# Altium PCB CL-HC-M-V2.1.PcbDoc (part 6 of 19)
Units mil, origin at the board's own origin, x right, y up, seen from the top; angles counter-clockwise.
Board outline 27559.06 x 27559.06 mil, 2 copper layers (TopLayer, BottomLayer); 704 components, 528 nets, 2453 pads, 1851 vias.
Unrouted connection lines stored in the file: 126.
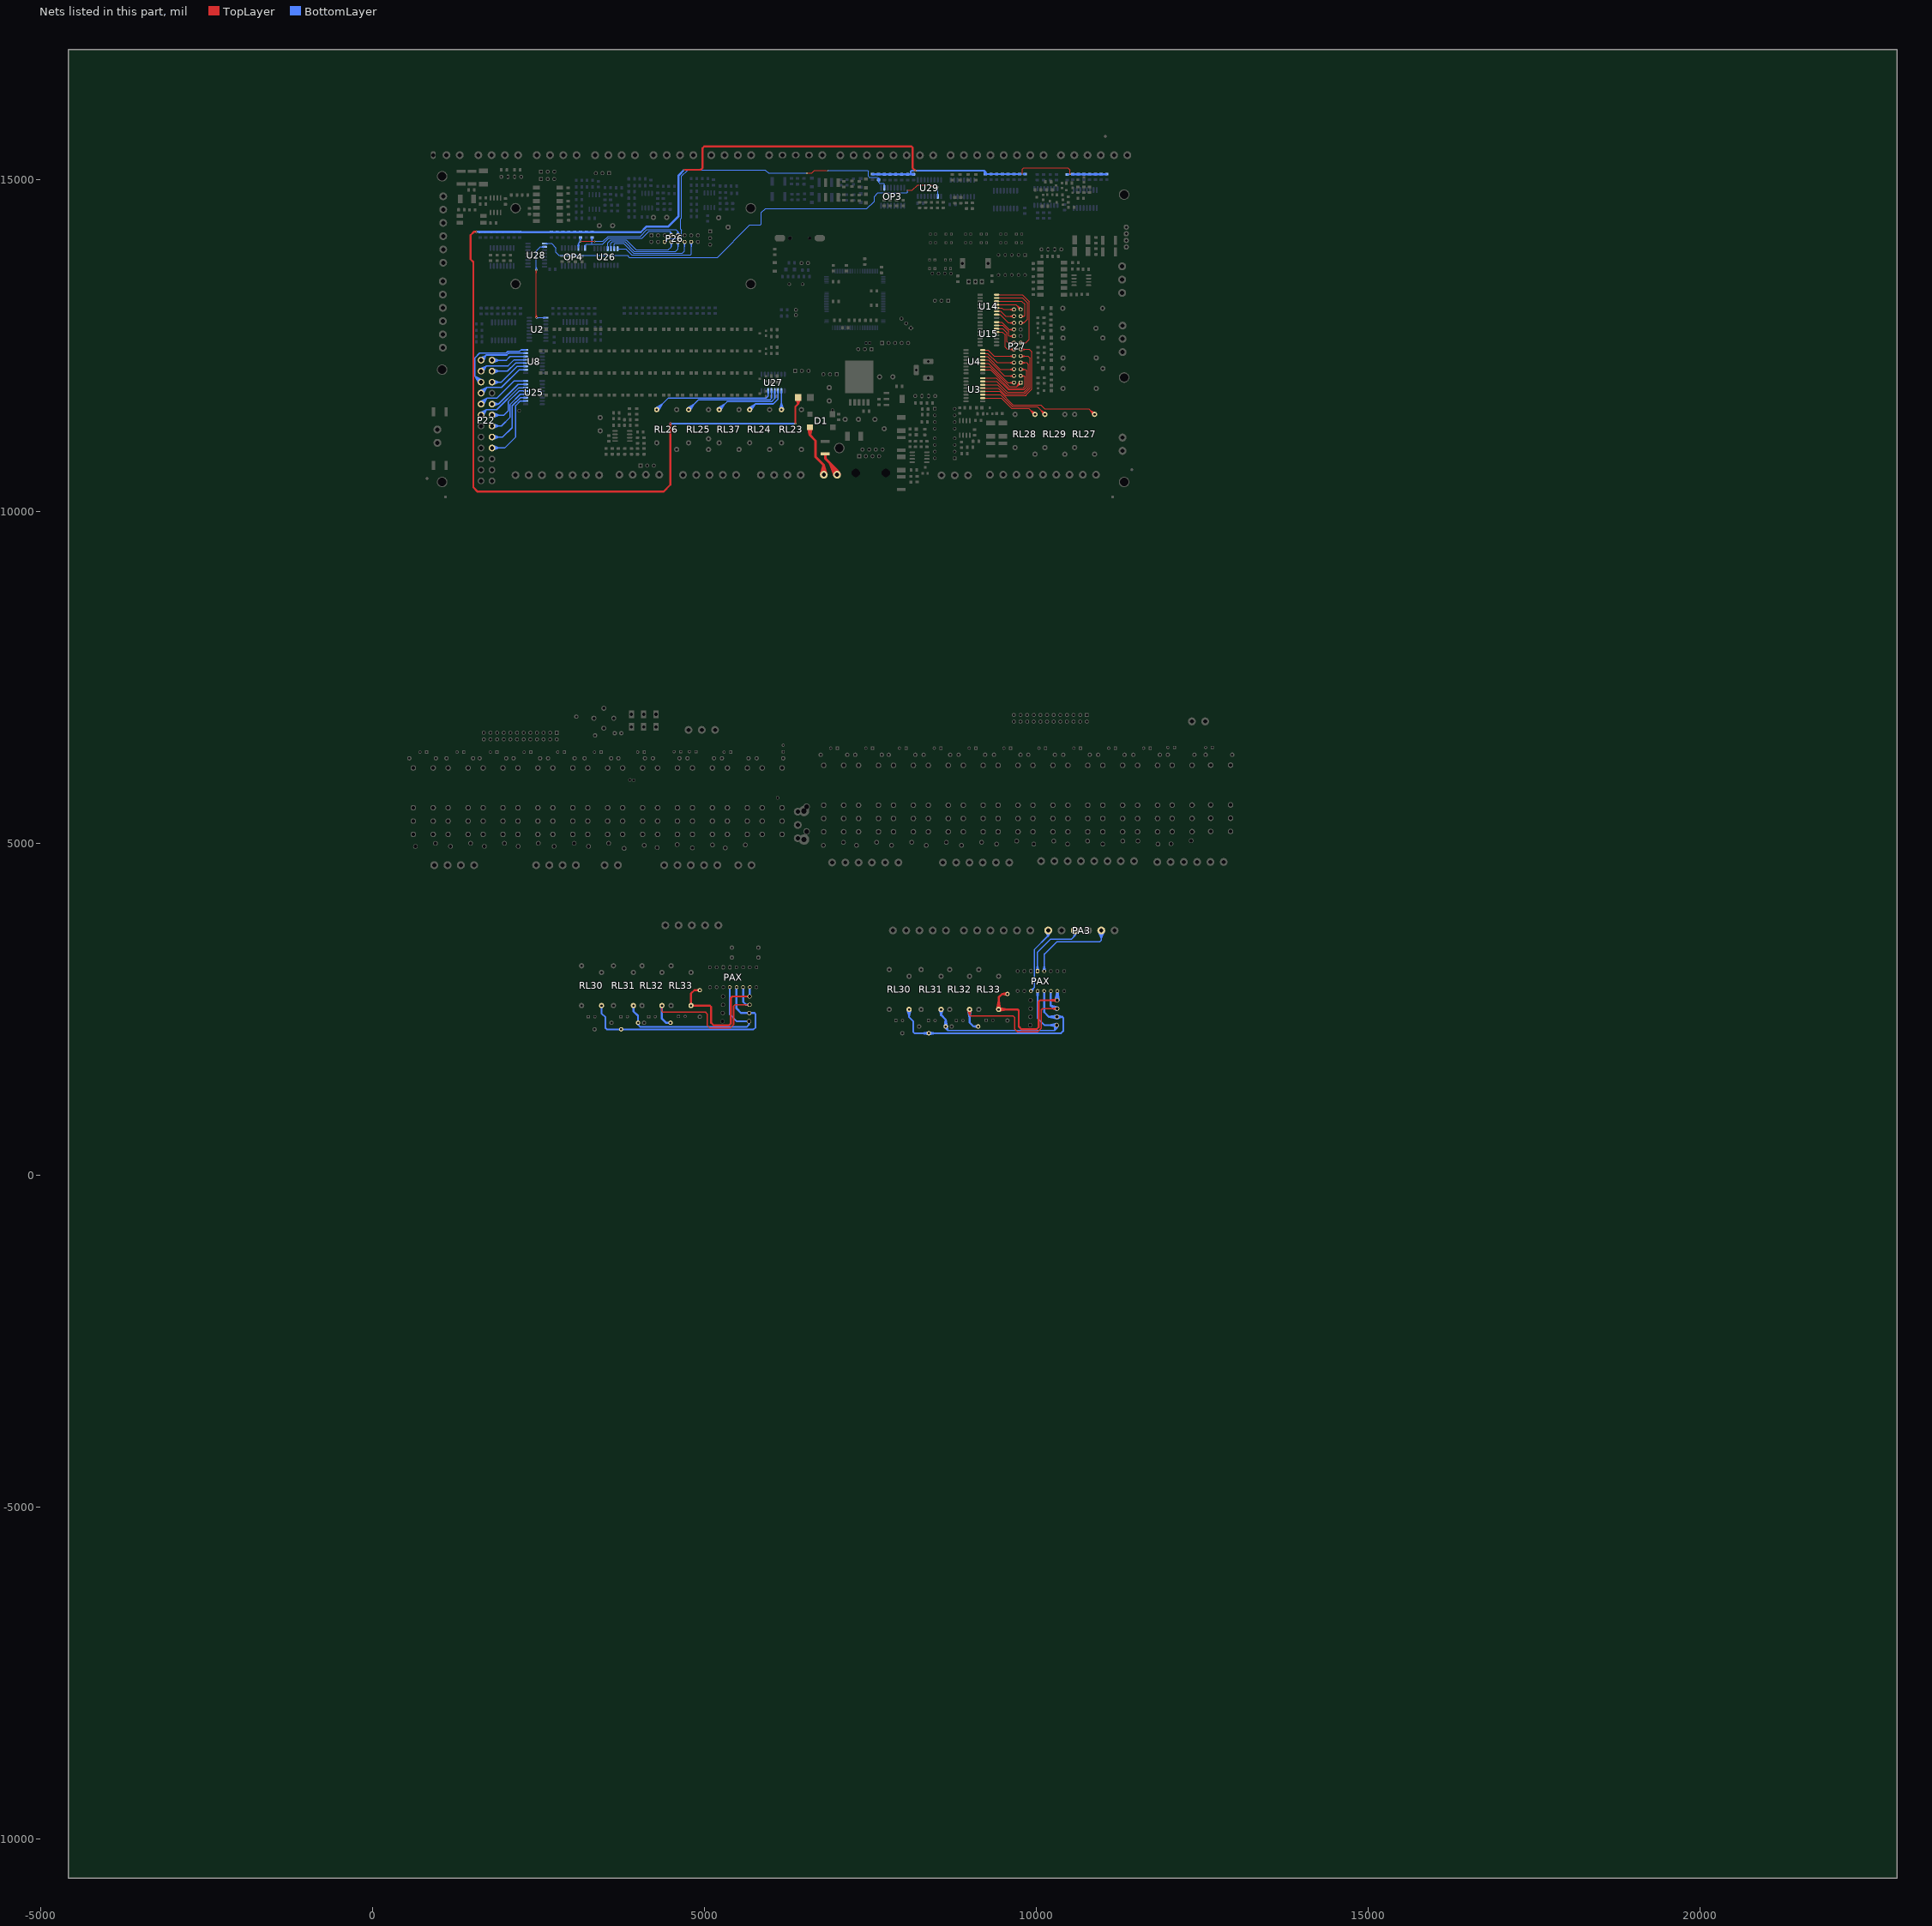
[diagram p6: the nets of this part, all layers, seen from the top]

## Via types
v1: diameter 25, hole 15, TopLayer to BottomLayer, tented both sides, 1813 vias
v2: diameter 20, hole 12, TopLayer to BottomLayer, tented both sides, 24 vias
v3: diameter 25, hole 15, TopLayer to BottomLayer, 13 vias
v4: diameter 40, hole 24, TopLayer to BottomLayer, tented both sides, 1 vias

## Nets (pads, with @x,y where several pads share a name; then routed paths per layer and width w, separated by ;. In a path a pad name is that pad's centre, name@x,y a point inside that pad or via, vN(x,y) a via of type N, cw(c..) or ccw(c..) an arc to the next point about the centre after c; other vN are vias at no path point) (continued)
24V-DI: D14.K R10.1 R14.1 R15.1 R16.1 R17.1 R18.1 R19.1 R20.1 R21.1 R22.1 R23.1 R24.1 R25.1 R26.1 R27.1 R28.1 R29.1 R30.1 R31.1 R32.1 R33.1 R34.1 R35.1 R37.1 R38.1 R53.1 R54.1 R55.1 R56.1 R57.1 R64.1 R65.1 R72.1 R73.1 R74.1 R79.1 R80.1 R249.1 R250.1 R251.1 | length 52852.3
  TopLayer w15: v1(9792.04,15083.71) 9792.04,15158.71 9809.31,15175.98 10478.86,15175.98 10511.13,15143.71 v1(10511.13,15083.5)
  TopLayer w30: 4487.86,11224.73 v1(4487.86,11327.23) 4487.86,10403.03 4383.54,10298.71 1585.68,10298.71 1520.21,10364.17 1520.21,13760.54 1478.41,13802.34 1478.41,14165.07 1527.5,14214.16 ; v1(4694.98,15148.71) 4944.57,15148.71 4971.62,15175.76 4971.62,15473.93 4998.72,15501.03 8120.73,15501.03 8138.93,15482.83 8138.93,15176.44 v1(8178.82,15136.55) ; v1(6370.29,11325.43) 6370.29,11579.11 6413.18,11622 ; D14.K@6378.74,11713.9 6413.18,11622 ; D14.K@6447.62,11713.9 6413.18,11622 ; 1527.5,14214.16 v1(1565.68,14214.16) 1527.5,14214.16 ; 6413.18,11622 D14.K@6413.18,11720.15 6413.18,11622
  BottomLayer w15: R57.1@1622.38,14213.36 R64.1@1707.38,14213.36 R73.1@1962.38,14213.36 R74.1@2047.38,14213.36 R79.1@2132.38,14213.36 R80.1@2217.38,14213.36 R53.1@2697.38,14213.36 R54.1@2782.38,14213.36 R55.1@2867.38,14213.36 R56.1@2957.38,14213.36 R17.1@3047.38,14213.36 R251.1@3132.38,14213.36 R16.1@3222.38,14213.36 R250.1@3307.38,14213.36 ; R57.1@1626.53,14200.89 R64.1@1692.1,14202.69 ; R57.1@1626.53,14225.83 R64.1@1692.1,14224.03 ; R57.1@1630.57,14201.27 R64.1@1692.1,14224.03 ; R57.1@1630.57,14225.44 R64.1@1692.1,14202.69 ; R64.1@1701.17,14200.92 R57.1@1637.38,14213.36 ; R64.1@1701.17,14225.8 R57.1@1637.38,14213.36 ; R64.1@1702.38,14213.36 R57.1@1637.38,14213.36 ; R64.1@1711.33,14225.81 R65.1@1777.03,14225.07 ; R64.1@1711.73,14200.87 R65.1@1777.15,14203.73 ; R64.1@1713.38,14225.82 R65.1@1777.37,14214.38 ; R64.1@1713.58,14200.92 R65.1@1777.38,14213.36 ; R64.1@1713.58,14225.8 R65.1@1777.38,14213.36 ; R64.1@1713.77,14200.94 R65.1@1777.37,14214.38 ; R64.1@1715.38,14225.49 R65.1@1777.15,14203.73 ; R64.1@1715.76,14201.33 R65.1@1777.03,14225.07 ; R65.1@1785.94,14226.98 R64.1@1722.36,14213.36 ; R65.1@1786.4,14202.1 R64.1@1722.36,14213.36 ; R65.1@1787.38,14214.57 R64.1@1722.36,14213.36 ; R65.1@1797.38,14214.57 R72.1@1862.4,14213.36 ; R65.1@1798.35,14202.1 R72.1@1862.4,14213.36 ; R65.1@1798.81,14226.98 R72.1@1862.4,14213.36 ; R72.1@1869.14,14226.64 R65.1@1807.84,14203.77 ; R72.1@1869.2,14202.47 R65.1@1807.37,14225.15 ; R72.1@1870.94,14226.98 R65.1@1807.35,14213.36 ; R72.1@1871.14,14227 R65.1@1807.31,14214.38 ; R72.1@1871.21,14202.12 R65.1@1807.31,14214.38 ; R72.1@1871.41,14202.1 R65.1@1807.35,14213.36 ; R72.1@1873.2,14227.04 R65.1@1807.37,14225.15 ; R72.1@1873.25,14202.1 R65.1@1807.84,14203.77 ; R72.1@1881.3,14202.11 R73.1@1946.83,14202.74 ; R72.1@1881.75,14227.05 R73.1@1947.42,14224.09 ; R72.1@1885.35,14202.43 R73.1@1947.42,14224.09 ; R72.1@1885.79,14226.59 R73.1@1946.83,14202.74 ; R73.1@1956.17,14200.92 R72.1@1892.38,14213.36 ; R73.1@1956.17,14225.8 R72.1@1892.38,14213.36 ; R73.1@1957.38,14213.36 R72.1@1892.38,14213.36 ; R73.1@1967.38,14213.36 R74.1@2032.38,14213.36 ; R73.1@1968.58,14200.92 R74.1@2032.38,14213.36 ; R73.1@1968.58,14225.8 R74.1@2032.38,14213.36 ; R74.1@2039.18,14201.27 R73.1@1977.66,14224.03 ; R74.1@2039.18,14225.44 R73.1@1977.66,14202.69 ; R74.1@2043.22,14200.89 R73.1@1977.66,14202.69 ; R74.1@2043.22,14225.83 R73.1@1977.66,14224.03 ; R74.1@2051.53,14200.89 R79.1@2117.1,14202.69 ; R74.1@2051.53,14225.83 R79.1@2117.1,14224.03 ; R74.1@2055.57,14201.27 R79.1@2117.1,14224.03 ; R74.1@2055.57,14225.44 R79.1@2117.1,14202.69 ; R79.1@2126.17,14200.92 R74.1@2062.38,14213.36 ; R79.1@2126.17,14225.8 R74.1@2062.38,14213.36 ; R79.1@2127.38,14213.36 R74.1@2062.38,14213.36 ; R79.1@2136.53,14200.89 R80.1@2202.1,14202.69 ; R79.1@2136.53,14225.83 R80.1@2202.1,14224.03 ; R79.1@2140.57,14201.27 R80.1@2202.1,14224.03 ; R79.1@2140.57,14225.44 R80.1@2202.1,14202.69 ; R80.1@2211.17,14200.92 R79.1@2147.38,14213.36 ; R80.1@2211.17,14225.8 R79.1@2147.38,14213.36 ; R80.1@2212.38,14213.36 R79.1@2147.38,14213.36 ; R80.1@2222.38,14213.36 2287.38,14213.36 ; R80.1@2223.58,14200.92 2287.38,14213.36 ; R80.1@2223.58,14225.8 2287.38,14213.36 ; R53.1@2691.17,14200.92 2627.38,14213.36 ; R53.1@2691.17,14225.8 2627.38,14213.36 ; R53.1@2692.38,14213.36 2627.38,14213.36 ; R53.1@2702.38,14213.36 R54.1@2767.38,14213.36 ; R53.1@2703.58,14200.92 R54.1@2767.38,14213.36 ; R53.1@2703.58,14225.8 R54.1@2767.38,14213.36 ; R54.1@2774.18,14201.27 R53.1@2712.66,14224.03 ; R54.1@2774.18,14225.44 R53.1@2712.66,14202.69 ; R54.1@2778.22,14200.89 R53.1@2712.66,14202.69 ; R54.1@2778.22,14225.83 R53.1@2712.66,14224.03 ; R54.1@2787.38,14213.36 R55.1@2852.38,14213.36 ; R54.1@2788.58,14200.92 R55.1@2852.38,14213.36 ; R54.1@2788.58,14225.8 R55.1@2852.38,14213.36 ; R55.1@2859.18,14201.27 R54.1@2797.66,14224.03 ; R55.1@2859.18,14225.44 R54.1@2797.66,14202.69 ; R55.1@2863.22,14200.89 R54.1@2797.66,14202.69 ; R55.1@2863.22,14225.83 R54.1@2797.66,14224.03 ; R55.1@2872.38,14213.36 R56.1@2937.38,14213.36 ; R55.1@2873.58,14200.92 R56.1@2937.38,14213.36 ; R55.1@2873.58,14225.8 R56.1@2937.38,14213.36 ; R56.1@2949.36,14201.23 R55.1@2887.1,14223.16 ; R56.1@2949.36,14225.49 R55.1@2887.1,14203.55 ; R56.1@2953.05,14200.88 R55.1@2887.1,14203.55 ; R56.1@2953.05,14225.84 R55.1@2887.1,14223.16 ; R56.1@2961.7,14200.88 R17.1@3027.66,14203.55 ; R56.1@2961.7,14225.84 R17.1@3027.66,14223.16 ; R56.1@2965.39,14201.23 R17.1@3027.66,14223.16 ; R56.1@2965.39,14225.49 R17.1@3027.66,14203.55 ; R17.1@3041.17,14200.92 R56.1@2977.38,14213.36 ; R17.1@3041.17,14225.8 R56.1@2977.38,14213.36 ; R17.1@3042.38,14213.36 R56.1@2977.38,14213.36 ; R17.1@3051.53,14200.89 R251.1@3117.1,14202.69 ; R17.1@3051.53,14225.83 R251.1@3117.1,14224.03 ; R17.1@3055.57,14201.27 R251.1@3117.1,14224.03 ; R17.1@3055.57,14225.44 R251.1@3117.1,14202.69 ; R251.1@3126.17,14200.92 R17.1@3062.38,14213.36 ; R251.1@3126.17,14225.8 R17.1@3062.38,14213.36 ; R251.1@3127.38,14213.36 R17.1@3062.38,14213.36 ; R251.1@3137.38,14213.36 R16.1@3202.38,14213.36 ; R251.1@3138.58,14200.92 R16.1@3202.38,14213.36 ; R251.1@3138.58,14225.8 R16.1@3202.38,14213.36 ; R16.1@3214.36,14201.23 R251.1@3152.1,14223.16 ; R16.1@3214.36,14225.49 R251.1@3152.1,14203.55 ; R16.1@3218.05,14200.88 R251.1@3152.1,14203.55 ; R16.1@3218.05,14225.84 R251.1@3152.1,14223.16 ; R16.1@3226.53,14200.89 R250.1@3292.1,14202.69 ; R16.1@3226.53,14225.83 R250.1@3292.1,14224.03 ; R16.1@3230.57,14201.27 R250.1@3292.1,14224.03 ; R16.1@3230.57,14225.44 R250.1@3292.1,14202.69 ; R250.1@3301.17,14200.92 R16.1@3237.38,14213.36 ; R250.1@3301.17,14225.8 R16.1@3237.38,14213.36 ; R250.1@3302.38,14213.36 R16.1@3237.38,14213.36 ; R22.1@10466.61,15080.04 10463.86,15083.5 v1(10511.13,15083.5) ; R22.1@10471.61,15080.04 v1(10511.13,15083.5) ; R22.1@10472.49,15092.51 v1(10511.13,15083.5) ; R22.1@10474.64,15067.91 v1(10511.13,15083.5) ; R23.1@10542.38,15071.22 v1(10511.13,15083.5) ; R23.1@10542.38,15095.78 v1(10511.13,15083.5) ; R23.1@10544.71,15083.5 v1(10511.13,15083.5) ; R23.1@10554.71,15083.5 R20.1@10619.71,15083.5 ; R23.1@10555.91,15071.06 R20.1@10619.71,15083.5 ; R23.1@10555.91,15095.94 R20.1@10619.71,15083.5 ; R20.1@10625.63,15071.42 R23.1@10564.19,15094.32 ; R20.1@10625.63,15095.57 R23.1@10564.19,15072.67 ; R20.1@10629.74,15071.03 R23.1@10564.19,15072.67 ; R20.1@10629.74,15095.97 R23.1@10564.19,15094.32 ; R20.1@10638.01,15071.03 R21.1@10703.58,15072.83 ; R20.1@10638.01,15095.97 R21.1@10703.58,15094.17 ; R20.1@10642.06,15071.41 R21.1@10703.58,15094.17 ; R20.1@10642.06,15095.58 R21.1@10703.58,15072.83 ; R21.1@10712.66,15071.06 R20.1@10648.86,15083.5 ; R21.1@10712.66,15095.94 R20.1@10648.86,15083.5 ; R21.1@10713.86,15083.5 R20.1@10648.86,15083.5 ; R21.1@10723.04,15071.02 R18.1@10788.64,15072.98 ; R21.1@10723.04,15095.97 R18.1@10788.64,15094.02 ; R21.1@10727.03,15071.41 R18.1@10788.64,15094.02 ; R21.1@10727.03,15095.59 R18.1@10788.64,15072.98 ; R18.1@10798.5,15071.06 R21.1@10734.71,15083.5 ; R18.1@10798.5,15095.94 R21.1@10734.71,15083.5 ; R18.1@10799.71,15083.5 R21.1@10734.71,15083.5 ; R18.1@10809.71,15083.5 R19.1@10874.71,15083.5 ; R18.1@10810.91,15071.06 R19.1@10874.71,15083.5 ; R18.1@10810.91,15095.94 R19.1@10874.71,15083.5 ; R19.1@10885.81,15071.38 R18.1@10823.72,15093.44 ; R19.1@10885.81,15095.62 R18.1@10823.72,15073.55 ; R19.1@10889.56,15071.02 R18.1@10823.72,15073.55 ; R19.1@10889.56,15095.98 R18.1@10823.72,15093.44 ; R19.1@10898.01,15071.03 R10.1@10963.58,15072.83 ; R19.1@10898.01,15095.97 R10.1@10963.58,15094.17 ; R19.1@10902.06,15071.41 R10.1@10963.58,15094.17 ; R19.1@10902.06,15095.58 R10.1@10963.58,15072.83 ; R10.1@10972.66,15071.06 R19.1@10908.86,15083.5 ; R10.1@10972.66,15095.94 R19.1@10908.86,15083.5 ; R10.1@10973.86,15083.5 R19.1@10908.86,15083.5 ; R10.1@10983.86,15083.5 R14.1@11048.86,15083.5 ; R10.1@10985.06,15071.06 R14.1@11048.86,15083.5 ; R10.1@10985.06,15095.94 R14.1@11048.86,15083.5 ; R14.1@11055.66,15071.41 R10.1@10994.14,15094.17 ; R14.1@11055.66,15095.58 R10.1@10994.14,15072.83 ; R14.1@11059.71,15071.03 R10.1@10994.14,15072.83 ; R14.1@11059.71,15095.97 R10.1@10994.14,15094.17 ; R14.1@11063.86,15083.5 R10.1@10978.86,15083.5 R19.1@10893.86,15083.5 R18.1@10804.71,15083.5 R21.1@10718.86,15083.5 R20.1@10633.86,15083.5 R23.1@10549.71,15083.5 v1(10511.13,15083.5) ; R57.1@1627.38,14213.36 R64.1@1692.38,14213.36 ; R57.1@1627.38,14213.36 R64.1@1692.1,14202.69 ; R57.1@1627.38,14213.36 R64.1@1692.38,14213.36 ; R57.1@1627.38,14213.36 R64.1@1692.1,14224.03 ; R64.1@1692.38,14213.36 1628.58,14225.8 R64.1@1692.38,14213.36 ; R64.1@1692.38,14213.36 1628.58,14200.92 R64.1@1692.38,14213.36 ; R64.1@1712.38,14213.36 R65.1@1777.38,14213.36 ; R64.1@1712.38,14213.36 R65.1@1777.15,14203.73 ; R64.1@1712.38,14213.36 R65.1@1777.37,14214.38 ; R64.1@1712.38,14213.36 R65.1@1777.03,14225.07 ; R65.1@1807.35,14213.36 R72.1@1872.38,14214.57 ; R65.1@1807.31,14214.38 R72.1@1872.38,14214.57 ; R65.1@1807.37,14225.15 R72.1@1872.38,14214.57 ; R65.1@1807.84,14203.77 R72.1@1872.38,14214.57 ; R72.1@1882.38,14214.57 R73.1@1947.39,14213.36 ; R72.1@1882.38,14214.57 R73.1@1946.83,14202.74 ; R72.1@1882.38,14214.57 R73.1@1947.41,14213.36 ; R72.1@1882.38,14214.57 R73.1@1947.42,14224.09 ; R73.1@1947.39,14213.36 1883.81,14226.98 R73.1@1947.41,14213.36 ; R73.1@1947.39,14213.36 1883.35,14202.1 R73.1@1947.41,14213.36 ; R73.1@1977.38,14213.36 2041.17,14200.92 R73.1@1977.38,14213.36 ; R73.1@1977.38,14213.36 2041.17,14225.8 R73.1@1977.38,14213.36 ; R73.1@1977.38,14213.36 R74.1@2042.38,14213.36 ; R73.1@1977.38,14213.36 R74.1@2042.38,14213.36 ; R73.1@1977.66,14202.69 R74.1@2042.38,14213.36 ; R73.1@1977.66,14224.03 R74.1@2042.38,14213.36 ; R74.1@2052.38,14213.36 R79.1@2117.38,14213.36 ; R74.1@2052.38,14213.36 R79.1@2117.1,14202.69 ; R74.1@2052.38,14213.36 R79.1@2117.38,14213.36 ; R74.1@2052.38,14213.36 R79.1@2117.1,14224.03 ; R79.1@2117.38,14213.36 2053.58,14225.8 R79.1@2117.38,14213.36 ; R79.1@2117.38,14213.36 2053.58,14200.92 R79.1@2117.38,14213.36 ; R79.1@2137.38,14213.36 R80.1@2202.38,14213.36 ; R79.1@2137.38,14213.36 R80.1@2202.1,14202.69 ; R79.1@2137.38,14213.36 R80.1@2202.38,14213.36 ; R79.1@2137.38,14213.36 R80.1@2202.1,14224.03 ; R80.1@2202.38,14213.36 2138.58,14225.8 R80.1@2202.38,14213.36 ; R80.1@2202.38,14213.36 2138.58,14200.92 R80.1@2202.38,14213.36 ; R53.1@2712.38,14213.36 2776.17,14200.92 R53.1@2712.38,14213.36 ; R53.1@2712.38,14213.36 2776.17,14225.8 R53.1@2712.38,14213.36 ; R53.1@2712.38,14213.36 R54.1@2777.38,14213.36 ; R53.1@2712.38,14213.36 R54.1@2777.38,14213.36 ; R53.1@2712.66,14202.69 R54.1@2777.38,14213.36 ; R53.1@2712.66,14224.03 R54.1@2777.38,14213.36 ; R54.1@2797.38,14213.36 2861.17,14200.92 R54.1@2797.38,14213.36 ; R54.1@2797.38,14213.36 2861.17,14225.8 R54.1@2797.38,14213.36 ; R54.1@2797.38,14213.36 R55.1@2862.38,14213.36 ; R54.1@2797.38,14213.36 R55.1@2862.38,14213.36 ; R54.1@2797.66,14202.69 R55.1@2862.38,14213.36 ; R54.1@2797.66,14224.03 R55.1@2862.38,14213.36 ; R55.1@2887.1,14203.55 R56.1@2952.38,14213.36 ; R55.1@2887.1,14223.16 R56.1@2952.38,14213.36 ; R55.1@2887.38,14213.36 2951.17,14200.92 R55.1@2887.38,14213.36 ; R55.1@2887.38,14213.36 2951.17,14225.8 R55.1@2887.38,14213.36 ; R55.1@2887.38,14213.36 R56.1@2952.38,14213.36 ; R55.1@2887.38,14213.36 R56.1@2952.38,14213.36 ; R56.1@2962.38,14213.36 R17.1@3027.38,14213.36 ; R56.1@2962.38,14213.36 R17.1@3027.66,14203.55 ; R56.1@2962.38,14213.36 R17.1@3027.38,14213.36 ; R56.1@2962.38,14213.36 R17.1@3027.66,14223.16 ; R17.1@3027.38,14213.36 2963.58,14225.8 R17.1@3027.38,14213.36 ; R17.1@3027.38,14213.36 2963.58,14200.92 R17.1@3027.38,14213.36 ; R17.1@3052.38,14213.36 R251.1@3117.38,14213.36 ; R17.1@3052.38,14213.36 R251.1@3117.1,14202.69 ; R17.1@3052.38,14213.36 R251.1@3117.38,14213.36 ; R17.1@3052.38,14213.36 R251.1@3117.1,14224.03 ; R251.1@3117.38,14213.36 3053.58,14225.8 R251.1@3117.38,14213.36 ; R251.1@3117.38,14213.36 3053.58,14200.92 R251.1@3117.38,14213.36 ; R251.1@3152.1,14203.55 R16.1@3217.38,14213.36 ; R251.1@3152.1,14223.16 R16.1@3217.38,14213.36 ; R251.1@3152.38,14213.36 3216.17,14200.92 R251.1@3152.38,14213.36 ; R251.1@3152.38,14213.36 3216.17,14225.8 R251.1@3152.38,14213.36 ; R251.1@3152.38,14213.36 R16.1@3217.38,14213.36 ; R251.1@3152.38,14213.36 R16.1@3217.38,14213.36 ; R16.1@3227.38,14213.36 R250.1@3292.38,14213.36 ; R16.1@3227.38,14213.36 R250.1@3292.1,14202.69 ; R16.1@3227.38,14213.36 R250.1@3292.38,14213.36 ; R16.1@3227.38,14213.36 R250.1@3292.1,14224.03 ; R250.1@3292.38,14213.36 3228.58,14225.8 R250.1@3292.38,14213.36 ; R250.1@3292.38,14213.36 3228.58,14200.92 R250.1@3292.38,14213.36 ; R23.1@10563.86,15083.5 10627.66,15071.06 R23.1@10563.86,15083.5 ; R23.1@10563.86,15083.5 10627.66,15095.94 R23.1@10563.86,15083.5 ; R23.1@10563.86,15083.5 R20.1@10628.86,15083.5 ; R23.1@10563.86,15083.5 R20.1@10628.86,15083.5 ; R23.1@10564.19,15072.67 R20.1@10628.86,15083.5 ; R23.1@10564.19,15094.32 R20.1@10628.86,15083.5 ; R20.1@10638.86,15083.5 R21.1@10703.86,15083.5 ; R20.1@10638.86,15083.5 R21.1@10703.58,15072.83 ; R20.1@10638.86,15083.5 R21.1@10703.58,15094.17 ; R20.1@10638.86,15083.5 R21.1@10703.86,15083.5 ; R21.1@10703.86,15083.5 10640.06,15095.94 R21.1@10703.86,15083.5 ; R21.1@10703.86,15083.5 10640.06,15071.06 R21.1@10703.86,15083.5 ; R21.1@10723.86,15083.5 R18.1@10788.86,15083.5 ; R21.1@10723.86,15083.5 R18.1@10788.64,15072.98 ; R21.1@10723.86,15083.5 R18.1@10788.64,15094.02 ; R21.1@10723.86,15083.5 R18.1@10788.86,15083.5 ; R18.1@10788.86,15083.5 10725.06,15095.94 R18.1@10788.86,15083.5 ; R18.1@10788.86,15083.5 10725.06,15071.06 R18.1@10788.86,15083.5 ; R18.1@10823.72,15073.55 R19.1@10888.86,15083.5 ; R18.1@10823.72,15093.44 R19.1@10888.86,15083.5 ; R18.1@10823.86,15083.5 10887.66,15071.06 R18.1@10823.86,15083.5 ; R18.1@10823.86,15083.5 10887.66,15095.94 R18.1@10823.86,15083.5 ; R18.1@10823.86,15083.5 R19.1@10888.86,15083.5 ; R18.1@10823.86,15083.5 R19.1@10888.86,15083.5 ; R19.1@10898.86,15083.5 R10.1@10963.86,15083.5 ; R19.1@10898.86,15083.5 R10.1@10963.58,15072.83 ; R19.1@10898.86,15083.5 R10.1@10963.58,15094.17 ; R19.1@10898.86,15083.5 R10.1@10963.86,15083.5 ; R10.1@10963.86,15083.5 10900.06,15095.94 R10.1@10963.86,15083.5 ; R10.1@10963.86,15083.5 10900.06,15071.06 R10.1@10963.86,15083.5 ; R10.1@10993.86,15083.5 11057.66,15071.06 R10.1@10993.86,15083.5 ; R10.1@10993.86,15083.5 11057.66,15095.94 R10.1@10993.86,15083.5 ; R10.1@10993.86,15083.5 R14.1@11058.86,15083.5 ; R10.1@10993.86,15083.5 R14.1@11058.86,15083.5 ; R10.1@10994.14,15072.83 R14.1@11058.86,15083.5 ; R10.1@10994.14,15094.17 R14.1@11058.86,15083.5
  BottomLayer w30: R57.1@1617.38,14213.36 v1(1565.68,14214.16) R57.1@1622.38,14214.16 ; 1737.39,14214.16 1627.38,14213.36 R64.1@1702.38,14213.36 ; 1762.37,14214.16 R72.1@1872.38,14214.57 ; 1822.39,14214.16 1712.38,14213.36 1787.38,14214.57 1677.37,14214.16 R64.1@1702.38,14213.36 ; 1932.36,14214.16 R74.1@2042.38,14213.36 ; 1992.38,14214.16 R72.1@1882.38,14214.57 ; 2162.38,14214.16 R74.1@2052.38,14213.36 ; R80.1@2222.38,14213.36 2332.77,14209.09 ; 2667.04,14209.09 2777.38,14213.36 2702.38,14213.36 R54.1@2782.38,14209.09 ; 2842.11,14209.09 2952.38,14213.36 R55.1@2872.38,14213.36 ; 3072.67,14209.09 2962.38,14213.36 R17.1@3042.38,14213.36 ; 3107.08,14209.09 3217.38,14213.36 3137.38,14213.36 R16.1@3222.38,14209.09 ; 3162.64,14209.09 3052.38,14213.36 3127.38,14213.36 3017.11,14209.09 R17.1@3042.38,14213.36 ; R250.1@3312.38,14213.36 3422.71,14209.09 ; 3337.71,14209.09 3227.38,14213.36 3302.38,14213.36 R16.1@3222.38,14209.09 ; 4590.51,11325.43 v1(4487.86,11327.23) 4489.66,11325.43 v1(6370.29,11325.43) ; 4618.84,15072.57 v1(4694.98,15148.71) 4609.01,15062.74 4609.01,14446.57 4453.87,14291.43 4124.64,14291.43 4042.29,14209.09 R16.1@3222.38,14209.09 ; R15.1@7535.63,15083.78 R15.1@7538.46,15080.95 ; 7597.81,15080.95 7707.81,15080.95 7630.18,15082.24 R37.1@7712.81,15080.95 ; 7650.76,15080.95 7540.63,15083.78 7620.18,15082.24 R15.1@7538.46,15080.95 ; R32.1@8067.81,15080.95 8109.31,15080.95 ; 8109.31,15078.71 8109.31,15080.95 ; R33.1@8147.81,15080.95 8109.31,15080.95 ; R33.1@8152.81,15080.95 8109.31,15080.95 ; 8281.33,15136.89 v1(8178.82,15136.55) 8123.86,15136.89 ; R30.1@9229.85,15083.5 9215.35,15136.89 ; R57.1@1622.38,14214.16 R80.1@2216.57,14214.16 ; R57.1@1622.38,14214.16 R64.1@1702.38,14213.36 ; R72.1@1872.38,14214.57 1797.38,14214.57 1907.38,14214.16 R72.1@1882.38,14214.57 ; R72.1@1872.38,14214.57 1847.36,14214.16 1957.38,14213.36 R72.1@1882.38,14214.57 ; R74.1@2042.38,14213.36 2017.36,14214.16 R79.1@2127.38,14213.36 ; R74.1@2042.38,14213.36 1967.38,14213.36 2077.39,14214.16 R74.1@2052.38,14213.36 ; R74.1@2052.38,14213.36 R79.1@2127.38,14213.36 ; R79.1@2127.38,14213.36 2102.36,14214.16 2212.38,14213.36 2137.38,14213.36 R80.1@2216.57,14214.16 ; R80.1@2216.57,14214.16 R80.1@2217.38,14213.36 2221.64,14209.09 R54.1@2782.38,14209.09 ; R54.1@2782.38,14209.09 R56.1@2957.38,14209.09 ; R54.1@2782.38,14209.09 2862.38,14213.36 2787.38,14213.36 2897.64,14209.09 R55.1@2872.38,14213.36 ; R55.1@2872.38,14213.36 R56.1@2957.38,14209.09 ; R56.1@2957.38,14209.09 R16.1@3222.38,14209.09 ; R56.1@2957.38,14209.09 R17.1@3042.38,14213.36 ; R15.1@7538.46,15080.95 R37.1@7712.81,15080.95 ; R37.1@7712.81,15080.95 R38.1@7797.81,15080.95 ; R37.1@7712.81,15080.95 7792.81,15080.95 7717.81,15080.95 R38.1@7797.81,15080.95 ; R38.1@7797.81,15080.95 R34.1@7882.81,15080.95 ; R38.1@7797.81,15080.95 7877.81,15080.95 7802.81,15080.95 R34.1@7882.81,15080.95 ; R34.1@7882.81,15080.95 R35.1@7972.81,15080.95 ; R34.1@7882.81,15080.95 7967.81,15080.95 7887.81,15080.95 R35.1@7972.81,15080.95 ; R35.1@7972.81,15080.95 R32.1@8062.81,15080.95 ; R35.1@7972.81,15080.95 8057.81,15080.95 7977.81,15080.95 R32.1@8062.81,15080.95 ; R32.1@8062.81,15080.95 8109.31,15080.95 ; 8109.31,15080.95 8109.31,15122.34 8123.86,15136.89 ; 8123.86,15136.89 9215.35,15136.89 ; 9215.35,15136.89 9234.85,15117.39 ; R30.1@9234.85,15083.5 R31.1@9320.69,15083.5 ; R30.1@9234.85,15083.5 9234.85,15117.39 ; R30.1@9234.85,15083.5 9315.69,15083.5 9239.85,15083.5 R31.1@9320.69,15083.5 ; R30.1@9234.85,15083.5 9234.85,15117.39 ; R31.1@9320.69,15083.5 R28.1@9404.85,15083.5 ; R31.1@9320.69,15083.5 9399.85,15083.5 9325.69,15083.5 R28.1@9404.85,15083.5 ; R28.1@9404.85,15083.5 R29.1@9489.85,15083.5 ; R28.1@9404.85,15083.5 9484.85,15083.5 9409.85,15083.5 R29.1@9489.85,15083.5 ; R29.1@9489.85,15083.5 R26.1@9575.69,15083.5 ; R29.1@9489.85,15083.5 9570.69,15083.5 9494.85,15083.5 R26.1@9575.69,15083.5 ; R26.1@9575.69,15083.5 R27.1@9664.85,15083.5 ; R26.1@9575.69,15083.5 9659.85,15083.5 9580.69,15083.5 R27.1@9664.85,15083.5 ; R27.1@9664.85,15083.5 R24.1@9749.85,15083.5 ; R27.1@9664.85,15083.5 9744.85,15083.5 9669.85,15083.5 R24.1@9749.85,15083.5 ; R24.1@9749.85,15083.5 R25.1@9834.85,15083.5 ; R24.1@9749.85,15083.5 R25.1@9829.85,15083.5 ; R24.1@9749.85,15083.5 v1(9792.04,15083.71) ; R24.1@9749.85,15083.5 v1(9792.04,15083.71) ; R24.1@9754.85,15083.5 R25.1@9834.85,15083.5 ; R24.1@9754.85,15083.5 R25.1@9829.85,15083.5 ; R24.1@9754.85,15083.5 v1(9792.04,15083.71) ; R24.1@9754.85,15083.5 v1(9792.04,15083.71) ; v1(9792.04,15083.71) R25.1@9834.85,15083.5 ; v1(9792.04,15083.71) R25.1@9834.85,15083.5 ; v1(9792.04,15083.71) R25.1@9829.85,15083.5 ; v1(9792.04,15083.71) R25.1@9829.85,15083.5